# Altium PCB CM4-Tower.PcbDoc (part 2 of 10) (continued)
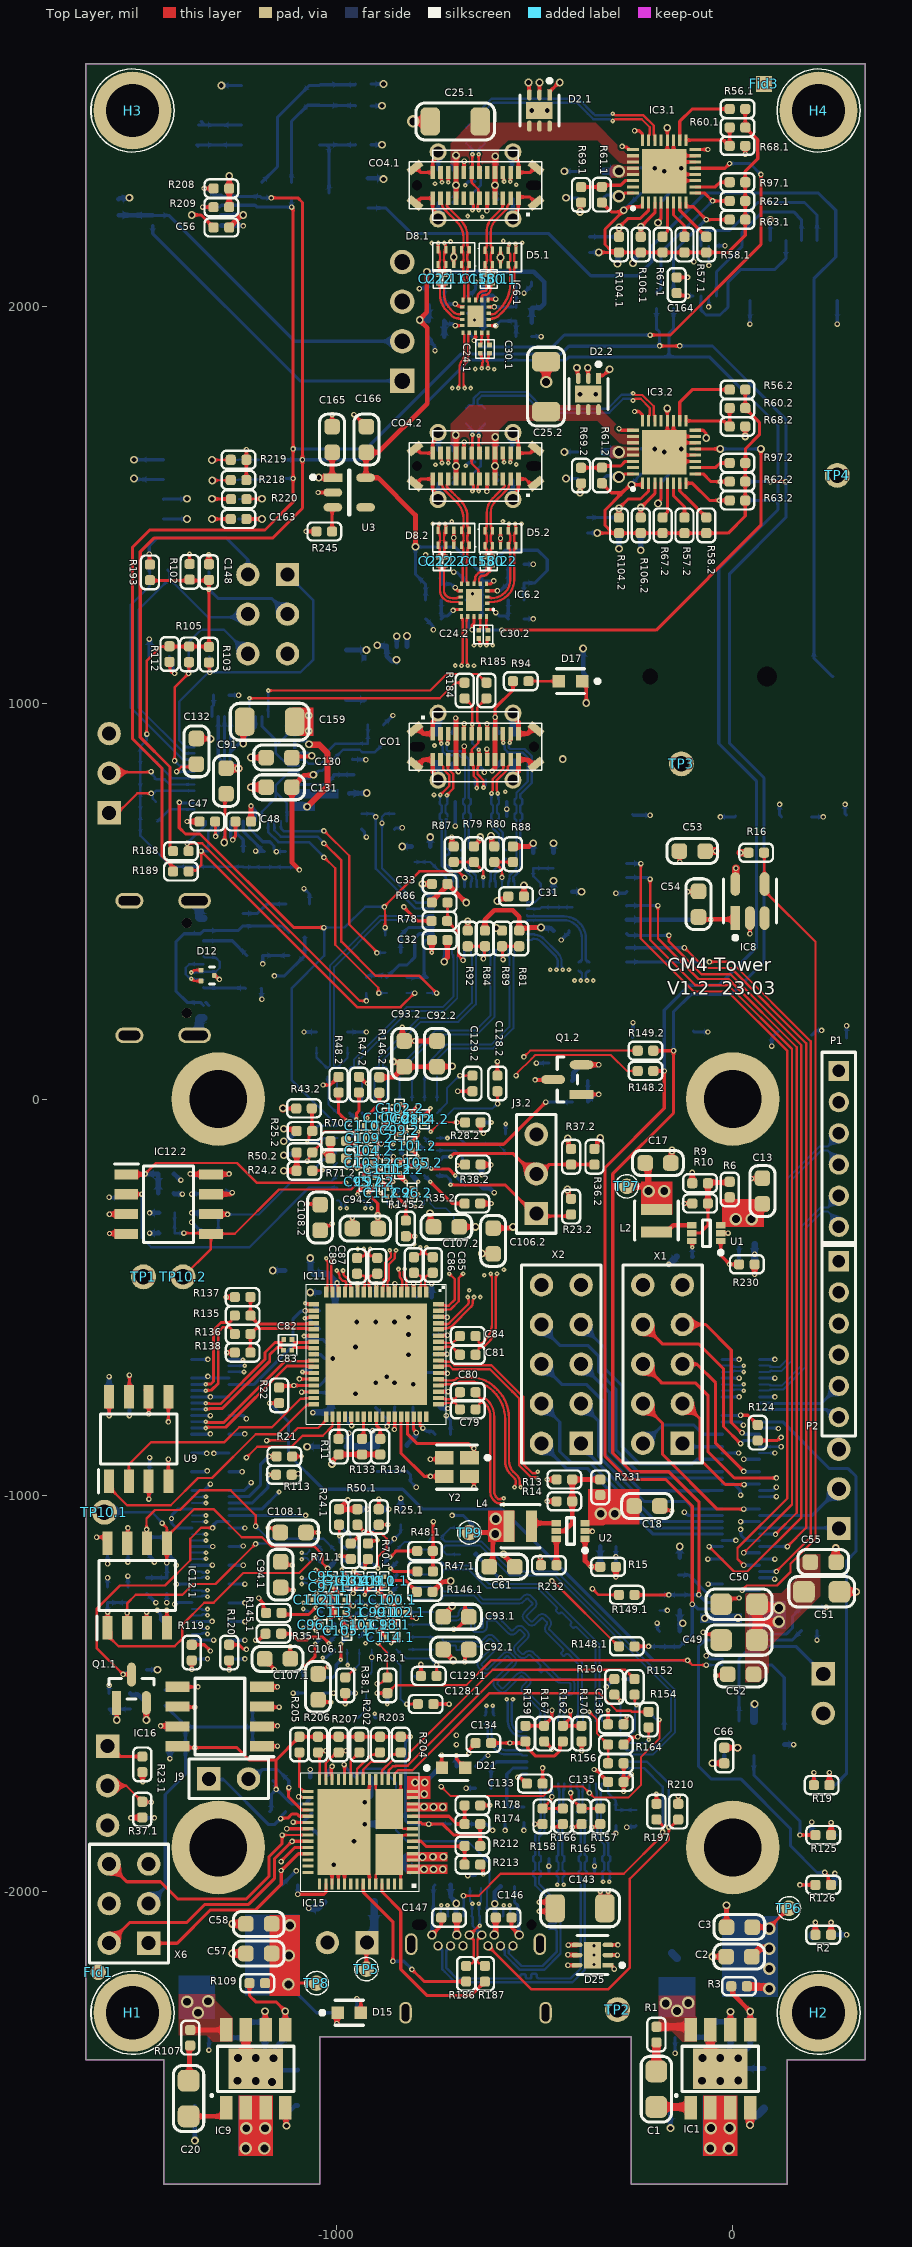
[diagram p0: Top Layer view]
## Part data (continued)
D5.1 D5.2 D7 D8.1 D8.2 D9 D20 D22: "PUSB3FA2/SOT1176/XSON10", Manufacturer=Nexperia, Part Number=DI0007, Supplier Part Number 1=1727-7813-1-ND, Category="TVS Diodes", ComponentLink1Description=http://www.farnell.com/datasheets/2621625.pdf?src-supplier=Farnell, ComponentLink1URL=http://www.farnell.com/datasheets/2621625.pdf?src-supplier=Farnell, ComponentLink2Description=https://assets.nexperia.com/documents/data-sheet/PUSB3FA2.pdf?src-supplier=Digi-Key, ComponentLink2URL=https://assets.nexperia.com/documents/data-sheet/PUSB3FA2.pdf?src-supplier=Digi-Key, ComponentLink3Description=http://www.farnell.com/datasheets/2621625.pdf?src-supplier=Newark, ComponentLink3URL=http://www.farnell.com/datasheets/2621625.pdf?src-supplier=Newark, ID=7, ManfactPart=PUSB3FA2Z, Manufacturer Part Number=PUSB3FA2Z, Pricing 1="1=0.39000, 10=0.31700, 100=0.21570, 500=0.16178, 1000=0.12134, 2000=0.11123 (USD)", Pricing 2="5=0.31600, 10=0.25800, 100=0.17600, 500=0.13300, 1000=0.11400, 5000=0.09420 (GBP)", Pricing 3="5000=0.10449, 10000=0.09774, 25000=0.09450 (USD)", RefVal=TVS, RoHS=No, Stock 1=8565, Stock 2=8440, Stock 3=5000, Supplier 1=Digi-Key, Supplier 2=Farnell, Supplier 3=Digi-Key, Supplier Part Number 2=2901054, Supplier Part Number 3=1727-7813-2-ND
D26: "BAT54 Series 30 V 200 mA Surface Mount Schottky Barrier Double Diode - SOT-23", Average Rectified Current=200mA, Capacitance=10pF, Case/Package=SOT-23, Current Rating=200A, Forward Voltage=800mV, Manufacturer="ON Semiconductor", Max Forward Surge Current (Ifsm)=600mA, Max Junction Temp=+150°C, Max Operating Temperature=150°C, Max Repetitive Reverse Voltage=30V, Max Reverse Current=2uA, Min Operating Temperature=-55°C, Package=MA03D, Package Quantity=1, Power Dissipation=290mW, Supplier Part Number 1=1467518, Temperature="-55°C to +150°C", Automotive=No, Category=Diode, ComponentLink1Description=https://datasheet.ciiva.com/22651/1923830-22651948.pdf?src-supplier=Element14, ComponentLink1URL=https://datasheet.ciiva.com/22651/1923830-22651948.pdf?src-supplier=Element14, ComponentLink2Description=Datasheet, ComponentLink2URL=https://media.digikey.com/pdf/Data%20Sheets/ON%20Semiconductor%20PDFs/BAT54(A,C,S).pdf, ComponentLink3Description=https://datasheet.ciiva.com/904/bat54-904342.pdf?src-supplier=Digi-Key, ComponentLink3URL=https://datasheet.ciiva.com/904/bat54-904342.pdf?src-supplier=Digi-Key, ComponentLink4Description=https://datasheet.ciiva.com/904/bat54-904343.pdf?src-supplier=Digi-Key, ComponentLink4URL=https://datasheet.ciiva.com/904/bat54-904343.pdf?src-supplier=Digi-Key, ComponentLink5Description=https://datasheet.ciiva.com/904/bat54-904341.pdf?src-supplier=Digi-Key, ComponentLink5URL=https://datasheet.ciiva.com/904/bat54-904341.pdf?src-supplier=Digi-Key, Contact Plating=Tin,Matte, Device Class L1="Discrete Semiconductors", Device Class L2=Diodes, Device Class L3="Schottky Diodes", Digikey Description="DIODE ARRAY SCHOTTKY 30V SOT23-3", Element Configuration="Common Cathode", Forward Current=200mA, Height=1.2mm, Lead Free="Lead Free", Length=2.92mm, Manufacturer Part Number=BAT54C, Max Repetitive Reverse Voltage (Vrrm)=30V, Max Reverse Voltage (DC)=30V, Max Surge Forward Current=600mA, Mount="Surface Mount", Number of Pins=3, Obsolete Part=true, Octopart=https://octopart.com/bat54c-on+semiconductor-8095621, Packaging="Cut Tape", Peak Non-Repetitive Surge Current=600mA, Peak Reverse Current=2uA, Pricing 1="5=0.05820, 50=0.04540, 100=0.04420, 500=0.03510, 1500=0.03100 (EUR)", Radiation Hardening=No, Reach SVHC Compliant=Yes, Reverse Recovery Time=5ns, Reverse Voltage=30V, RoHS=Yes, RoHS Compliant=Yes, Series=-, Standoff Height=0mm, Supplier 1=Farnell, Temperature Range High=+150°C, Temperature Range Low=-55°C, Voltage=30V, Voltage Rating (DC)=30V, Weight=0.000882oz, Width=1.3mm
Fid1 Fid2: library part ME0011, "Fiducial Round 1mm", ID=11, Part Number=ME0011, RefVal=Fiducial
Fid3 Fid4: library part ME0012, "Fiducial Sqaure 1mm", ID=12, Part Number=ME0012, RefVal=Fiducial
H1 H2 H3 H4: library part ME0001, "Mounting Hole M3", ID=1, Part Number=ME0001, RefVal="Hole M3"
IC1 IC9: "3.8V to 40V Input 5A Low IQ Synchronous Buck Converter with Programmable Soft-Start Time 8-Pin SOIC EP T/R", Manufacturer=Diodes, Part Number=IC0031, Supplier Part Number 1=621-AP64501SP-13, Category="Voltage Regulators - Switching", ID=31, ManfactPart=AP64501SP-13, Manufacturer Part Number=AP64501SP-13, Pricing 1="1=2.41000, 10=2.17000, 50=2.05000, 100=1.74000, 1000=1.19000, 10000=1.08000 (USD)", RefVal=AP64501SP-13, RoHS=Yes, Stock 1=13842, Supplier 1=Mouser
IC2.1 IC2.2: "Advanced HDMI to DisplayPort converter", Manufacturer="Kinetic Technologies", Manufacturer Part Number=STDP2600ADT, Part Number=IC0077, Supplier Part Number 1=1654-STDP2600ADTCT-ND, Category="Interface ICs", ID=77, ManfactPart=STDP2600, Pricing 1="1=8.94000, 10=8.04900, 25=7.58240, 50=7.38820, 100=7.19370, 250=6.41604, 500=6.02718, 1000=5.32724 (USD)", RefVal=STDP2600, RoHS=No, Stock 1=8132, Supplier 1=Digi-Key
IC3.1 IC3.2: "USB Type-C® controller with integrated source power switch 32-VQFN -40 to 105", Manufacturer="Texas Instruments", Mouser Part Number=595-TPS25814RSMR, Category="Integrated Circuits (ICs)", Datasheet Link=https://www.ti.com/lit/ds/symlink/tps25814.pdf?ts=1614246005864&ref_url=https%253A%252F%252Fwww.mouser.it%252F, Height=1mm, Manufacturer Part Number=TPS25814RSMR, Manufacturer_Name="Texas Instruments", Manufacturer_Part_Number=TPS25814RSMR, Mouser Price/Stock=https://www.mouser.co.uk/ProductDetail/Texas-Instruments/TPS25814RSMR?qs=eP2BKZSCXI7b%2F2SE6IEFzg%3D%3D, Pricing 1="1=2.50000, 10=2.25000, 50=2.12000, 100=1.81000, 1000=1.24000, 10000=1.23000 (USD)", RoHS=No, Supplier 1=Mouser, Supplier Part Number 1=595-TPS25814RSMR
IC4 IC14: "USB Type-C™ DP ALT Mode 10-Gbps linear redriver crosspoint switch for source side 40-WQFN -40 to 85", Manufacturer="Texas Instruments", Manufacturer Part Number=TUSB1046AI-DCIRNQR, Max Operating Temperature=85°C, Min Operating Temperature=-40°C, Mouser Part Number=595-TUSB1046-DCIRNQR, On-State Resistance=10R, Supplier Part Number 1=595-USB1046AIDCIRNQR, Arrow Part Number=TUSB1046-DCIRNQR, Arrow Price/Stock=https://www.arrow.com/en/products/tusb1046-dcirnqr/texas-instruments, Category="Integrated Circuits (ICs)", ComponentLink1Description=http://www.ti.com/lit/ds/symlink/tusb1046a-dci.pdf?src-supplier=Digi-Key, ComponentLink1URL=http://www.ti.com/lit/ds/symlink/tusb1046a-dci.pdf?src-supplier=Digi-Key, Datasheet Link=https://www.ti.com/lit/ds/symlink/tusb1046-dci.pdf?ts=1635509425736&ref_url=https%253A%252F%252Fwww.google.com%252F, Height=0.8mm, Mouser Price/Stock=https://www.mouser.co.uk/ProductDetail/Texas-Instruments/TUSB1046-DCIRNQR?qs=Euq2YPj5ArLS2CQihiHSYg%3D%3D, Number Of Channels=4, Pricing 1="1=9.42000, 10=8.51000, 50=8.12000, 100=7.05000, 1000=5.75000, 10000=5.74000 (USD)", RoHS=Yes, RoHS Compliant=Yes, Supplier 1=Mouser
IC5 IC16: "NOR Flash Serial 3.3V 8M-bit 8M/4M x 1/2-bit 8ns 8-Pin SOP / IC FLASH 8MBIT 86MHZ 8SOP", Case/Package=SOIC, Frequency=86MHz, Manufacturer=Macronix, Max Operating Temperature=85°C, Min Operating Temperature=-40°C, Operating Supply Voltage=3.6V, Package Quantity=98, Supplier Part Number 1=1092-1117-ND, Temperature Grade=INDUSTRIAL, Arrow Part Number=MX25L8006EM1I-12G, Arrow Price/Stock=https://www.arrow.com/en/products/mx25l8006em1i-12g/macronix-international?region=nac, Category=Flash, ComponentLink1Description=http://ckassoc.com/oldsite/pdf/Macronix_Product_Line_Card_July_2017_General%20_070617.pdf?src-supplier=Digi-Key, ComponentLink1URL=http://ckassoc.com/oldsite/pdf/Macronix_Product_Line_Card_July_2017_General%20_070617.pdf?src-supplier=Digi-Key, ComponentLink2Description=http://www.macronix.com/QuickPlace/hq/PageLibrary4825740B00298A3B.nsf/h_Index/3F21BAC2E121E17848257639003A3146/$File/MX25L8006E,%203V,%208Mb,%20v1.3.pdf?src-supplier=Future+Electronics, ComponentLink2URL=http://www.macronix.com/QuickPlace/hq/PageLibrary4825740B00298A3B.nsf/h_Index/3F21BAC2E121E17848257639003A3146/$File/MX25L8006E,%203V,%208Mb,%20v1.3.pdf?src-supplier=Future+Electronics, Datasheet Link=https://www.mxic.com.tw/Lists/Datasheet/Attachments/7445/MX25L8006E,%203V,%208Mb,%20v1.6.pdf, Density=8Mb, Height=1.75mm, Interface=SPI,Serial, Lead Free="Lead Free", Manufacturer Part Number=MX25L8006EM1I-12G, Manufacturer_Name=Macronix, Manufacturer_Part_Number=MX25L8006EM1I-12G, Max Frequency=86MHz, Memory Type=FLASH,NOR, Packaging=Rail/Tube, Pricing 1="1=0.58000, 10=0.52500, 25=0.51880, 50=0.51580, 100=0.46120, 250=0.45736, 500=0.45058, 1000=0.43446, 5000=0.39572 (USD)", RoHS=Yes, RoHS Compliant=Yes, Series=MX25xxx05/06, Stock 1=66203, Supplier 1=Digi-Key, Supply Voltage-Nom=3.6V
IC6.1 IC6.2: "Integrated Circuit", Manufacturer_Name="Texas Instruments", Mouser Part Number=595-TUSB542RWQR, Arrow Part Number=TUSB542RWQR, Arrow Price/Stock=https://www.arrow.com/en/products/tusb542rwqr/texas-instruments, Datasheet Link=http://www.ti.com/lit/ds/symlink/tusb542.pdf, Manufacturer_Part_Number=TUSB542RWQR, Mouser Price/Stock=https://www.mouser.co.uk/ProductDetail/Texas-Instruments/TUSB542RWQR?qs=n%252BTO0c4TDSbKMyA4z73fLg%3D%3D
IC7: library part EMC2301-1-ACZL-TR, "RPM-BASED PWM FAN CONTROLLER", Case/Package=MSOP, Manufacturer=Microchip, Max Operating Temperature=125°C, Max Supply Voltage=3.6V, Min Operating Temperature=-40°C, Min Supply Voltage=3V, Operating Supply Current=350uA, Operating Supply Voltage=3.3V, Package Quantity=1, Part Number=IC0054, Supplier Part Number 1=EMC2301-1-ACZL-CT-ND, Category="Motor Drivers", ComponentLink1Description=https://datasheet.ciiva.com/29573/2301-29573777.pdf?src-supplier=Digi-Key, ComponentLink1URL=https://datasheet.ciiva.com/29573/2301-29573777.pdf?src-supplier=Digi-Key, ComponentLink2Description=https://datasheet.ciiva.com/48437/2301-48437622.pdf?src-supplier=Avnet, ComponentLink2URL=https://datasheet.ciiva.com/48437/2301-48437622.pdf?src-supplier=Avnet, ComponentLink3Description=https://datasheet.ciiva.com/6607/2301-6607817.pdf?src-supplier=Digi-Key, ComponentLink3URL=https://datasheet.ciiva.com/6607/2301-6607817.pdf?src-supplier=Digi-Key, ID=54, Interface=PWM,I2C,SMBus,2-Wire, Lead Free="Lead Free", ManfactPart=EMC2301-1-ACZL-TR, Manufacturer Part Number=EMC2301-1-ACZL-TR, Max Supply Voltage (DC)=3.6V, Min Supply Voltage (DC)=3V, Mount="Surface Mount", Number of Pins=8, Output Type=Digital, Packaging="Tape and Reel", Pricing 1="1=1.24000, 25=1.12480 (USD)", RefVal=EMC2301, RoHS=Yes, Series=-, Stock 1=7394, Supplier 1=Digi-Key
IC8: library part RT9742GGJ5, "IC Pwr Swtch N-chan 1: 1 TSOT23-5", Case/Package=SOT-23-5, Manufacturer=Richtek, Max Operating Temperature=85°C, Max Output Current=1A, Min Operating Temperature=-40°C, On-State Resistance=70mR, Part Number=IC0029, Supplier Part Number 1=1028-1436-1-ND, Category="Power Management ICs", ComponentLink1Description=http://www.farnell.com/datasheets/2045592.pdf?src-supplier=Farnell, ComponentLink1URL=http://www.farnell.com/datasheets/2045592.pdf?src-supplier=Farnell, ComponentLink2Description=http://www.richtek.com/assets/product_file/RT9742/DS9742-03.pdf?src-supplier=Digi-Key, ComponentLink2URL=http://www.richtek.com/assets/product_file/RT9742/DS9742-03.pdf?src-supplier=Digi-Key, ComponentLink3Description=http://www.farnell.com/datasheets/2045592.pdf?src-supplier=Element14, ComponentLink3URL=http://www.farnell.com/datasheets/2045592.pdf?src-supplier=Element14, Fault Protection="Over Temperature,Reverse Current", ID=29, Interface=On/Off, ManfactPart=RT9742GGJ5, Manufacturer Part Number=RT9742GGJ5, Number of Outputs=1, Number of Pins=23, Output Configuration="High Side", Packaging="Cut Tape", Pricing 1="1=4.03000, 10=3.62300, 25=3.42480, 100=2.96820, 250=2.81600, 500=2.52678, 1000=2.15400 (USD)", Reach SVHC Compliant=Yes, RefVal=RT9742, RoHS=Yes, RoHS Compliant=Yes, Series=-, Stock 1=8743, Supplier 1=Digi-Key
IC11: "VL805 4-Port USB 3.0 Host Controller", Manufacturer=VLI, ID=46, Manufacturer Part Number=VL805-Q6
IC12.1 IC12.2: "150 mils SOIC 2.3-3.6V 2 Mbit SPI Flash 8 SOIC 3.90mm(.150in) TUBE RoHS Compliant: Yes", Case/Package=SOIC, Frequency=80MHz, Manufacturer=Microchip, Max Operating Temperature=70°C, Max Supply Current=15mA, Max Supply Voltage=3.6V, Min Operating Temperature=0°C, Min Supply Voltage=2.3V, Mouser Part Number=579-020B-80-4C-SAE, Nominal Supply Current=30mA, Package Quantity=100, Supplier Part Number 1=SST25PF020B-80-4C-SAE-ND, Access Time=12ns, Access Time-Max=12ns, Address Bus Width=1b, Arrow Part Number=SST25PF020B-80-4C-SAE, Arrow Price/Stock=https://www.arrow.com/en/products/sst25pf020b-80-4c-sae/microchip-technology?region=europe, Category=Flash, ComponentLink1Description=https://datasheet.ciiva.com/30477/0900766b8127faed-30477881.pdf?src-supplier=RSComponents, ComponentLink1URL=https://datasheet.ciiva.com/30477/0900766b8127faed-30477881.pdf?src-supplier=RSComponents, ComponentLink2Description=https://datasheet.ciiva.com/26296/sst25pf020b-eng-tds-26296972.pdf?src-supplier=Distrelec, ComponentLink2URL=https://datasheet.ciiva.com/26296/sst25pf020b-eng-tds-26296972.pdf?src-supplier=Distrelec, ComponentLink3Description=https://datasheet.ciiva.com/30020/25135a-30020558.pdf?src-supplier=Avnet, ComponentLink3URL=https://datasheet.ciiva.com/30020/25135a-30020558.pdf?src-supplier=Avnet, ComponentLink4Description=https://datasheet.ciiva.com/15048/20005135b-15048474.pdf?src-supplier=Digi-Key, ComponentLink4URL=https://datasheet.ciiva.com/15048/20005135b-15048474.pdf?src-supplier=Digi-Key, Data Bus Width=8b, Datasheet Link=https://componentsearchengine.com/Datasheets/3/SST25PF020B-80-4C-SAE.pdf, Density=2Mb, Height=1.75mm, Interface=SPI,Serial, Length=5mm, Manufacturer Part Number=SST25PF020B-80-4C-SAE, Manufacturer_Name=Microchip, Manufacturer_Part_Number=SST25PF020B-80-4C-SAE, Max Frequency=80MHz, Memory Size=2Mb, Memory Type=NOR,Non-Volatile,FLASH, Mount="Surface Mount", Mouser Price/Stock=https://www.mouser.com/Search/Refine.aspx?Keyword=579-020B-80-4C-SAE, Number of Pins=8, Packaging=Rail/Tube, Pricing 1="1=1.03000, 25=0.97520, 100=0.94340 (USD)", Programming Voltage=3.6V, Radiation Hardening=No, Reach SVHC Compliant=Yes, RoHS=Yes, RoHS Compliant=Yes, Series=SST25, Stock 1=289, Supplier 1=Digi-Key, Supply Current=30mA, Weight=0.019048oz, Width=4mm
IC13 IC15: "USB Type-C™ and USB PD controller with integrated power switches 56-VQFN -10 to 75", Case/Package=VQFN, Manufacturer="Texas Instruments", Max Operating Temperature=75°C, Min Operating Temperature=-10°C, Operating Supply Current=8mA, Part Number=IC0052, Supplier Part Number 1=296-52067-1-ND, Category="Power Management ICs", ComponentLink1Description=http://www.ti.com/lit/ds/symlink/tps65987d.pdf?src-supplier=Digi-Key, ComponentLink1URL=http://www.ti.com/lit/ds/symlink/tps65987d.pdf?src-supplier=Digi-Key, ComponentLink2Description=http://www.ti.com/general/docs/suppproductinfo.tsp?distId=10&amp;gotoUrl=http%3A%2F%2Fwww.ti.com%2Flit%2Fgpn%2Ftps65987d&src-supplier=Digi-Key, ComponentLink2URL=http://www.ti.com/general/docs/suppproductinfo.tsp?distId=10&amp;gotoUrl=http%3A%2F%2Fwww.ti.com%2Flit%2Fgpn%2Ftps65987d&src-supplier=Digi-Key, ID=52, ManfactPart=TPS65987DDHRSHR, Manufacturer Part Number=TPS65987DDHRSHR, Mount="Surface Mount", Packaging="Tape and Reel", Pricing 1="1=4.92000, 10=4.41700, 25=4.17600, 100=3.61930, 250=3.43372, 500=3.08106, 1000=2.62650 (USD)", RefVal=TPS65987D, RoHS=Yes, RoHS Compliant=Yes, Stock 1=6720, Supplier 1=Digi-Key
J1 J3.1 J3.2 J4: "Board to Board Connector Straight Header Single Row 3 Position 2.54mm Pitch Through Hole Bag", Manufacturer=Amphenol, Manufacturer Part Number=G800W305018EU, Supplier Part Number 1=523-G800W305018EU, Category=Connectors, Pricing 1="1=0.10000, 10=0.04200, 50=0.04200, 100=0.04000, 1000=0.03500, 10000=0.03000 (USD)", RoHS=Yes, Stock 1=26660, Supplier 1=Mouser
J2 J9 J11: "Pin Header 2.54MM Pitch Str, 1X2PIN, Full G/f, NY6T, 6.1MM*2.5MM*3.0MM / Bag", Manufacturer=Amphenol, Manufacturer Part Number=G800W306018EU, Supplier Part Number 1=523-G800W305018EU, Category=Connectors, Pricing 1="1=0.10000, 10=0.04200, 50=0.04200, 100=0.04000, 1000=0.03500, 10000=0.03000 (USD)", Pricing 2="1=0.10000, 10=0.03000, 50=0.03000, 100=0.02900, 1000=0.02600, 10000=0.02100 (USD)", RoHS=Yes, Stock 1=26660, Stock 2=25697, Supplier 1=Mouser, Supplier 2=Mouser, Supplier Part Number 2=523-G800W306018EU
J5: library part CM4_module_A, "0.4mm Pitch, 1.5-4.0mm Height, Board to Board / FPC to Board Connectors", Manufacturer=Hirose, Manufacturer Part Number=DF40HC(3.0)-100DS-0.4V(51, Part Number=MO0012, Supplier Part Number 1=798-DF40HC30100DS451, Category="Headers and Wire Housings", ComponentLink1Description=https://datasheet.ciiva.com/13559/ed-df40-20140305-13559540.pdf?src-supplier=Mouser, ComponentLink1URL=https://datasheet.ciiva.com/13559/ed-df40-20140305-13559540.pdf?src-supplier=Mouser, ComponentLink2Description=https://datasheet.ciiva.com/18562/ed-df40-20140305-18562462.pdf?src-supplier=Digi-Key, ComponentLink2URL=https://datasheet.ciiva.com/18562/ed-df40-20140305-18562462.pdf?src-supplier=Digi-Key, ID=12, ManfactPart=DF40HC(3.0)-100DS-0.4V, Pricing 1="1=2.70000, 10=2.32000, 50=2.32000, 100=2.16000, 1000=1.57000, 10000=1.45000 (USD)", RefVal=CM4-1, RoHS=Yes, Stock 1=26786, Supplier 1=Mouser
J6: library part CM4_module_B, "0.4mm Pitch, 1.5-4.0mm Height, Board to Board / FPC to Board Connectors", Manufacturer=Hirose, Manufacturer Part Number=DF40HC(3.0)-100DS-0.4V(51, Part Number=MO0012, Supplier Part Number 1=798-DF40HC30100DS451, Category="Headers and Wire Housings", ComponentLink1Description=https://datasheet.ciiva.com/13559/ed-df40-20140305-13559540.pdf?src-supplier=Mouser, ComponentLink1URL=https://datasheet.ciiva.com/13559/ed-df40-20140305-13559540.pdf?src-supplier=Mouser, ComponentLink2Description=https://datasheet.ciiva.com/18562/ed-df40-20140305-18562462.pdf?src-supplier=Digi-Key, ComponentLink2URL=https://datasheet.ciiva.com/18562/ed-df40-20140305-18562462.pdf?src-supplier=Digi-Key, ID=12, ManfactPart=DF40HC(3.0)-100DS-0.4V, Pricing 1="1=2.70000, 10=2.32000, 50=2.32000, 100=2.16000, 1000=1.57000, 10000=1.45000 (USD)", RefVal=CM4-1, RoHS=Yes, Stock 1=26786, Supplier 1=Mouser
J7: "KK 254 Solid Header, Right-Angle, with Friction Lock, 4 Circuits, Tin (Sn) Plating", Color=White, Contact Resistance=10mR, Current Rating=4A, Flammability Rating="UL94 V-0", Insulation Resistance=50GR, Manufacturer=Molex, Max Operating Temperature=75°C, Min Operating Temperature=0°C, Package=0, Package Quantity=12000, Supplier Part Number 1=WM4302-ND, Temperature="-40°C to +80°C", Temperature Range High=+80°C, Temperature Range Low=-40°C, Voltage Rating=500V, Voltage Rating (DC)=250V, Approvals=UL,CSA, Automotive=No, Category=Conn, ComponentLink2Description=Datasheet, ComponentLink2URL=https://www.molex.com/webdocs/datasheets/pdf/en-us/0022053041_PCB_HEADERS.pdf, Conn Gender=Male, Conn Orientation="Right Angle", Contact Gender=Male, Contact Material=Tin,Nickel, Contact Mating Length=0.264inch, Contact Plating=Tin,Copper, Contact Type="Male Pin", Depth=12.83mm, Device Class L1=Connectors, Device Class L2="Headers and Wire Housings", Device Class L3=unset, Digikey Description="CONN HEADER R/A 4POS 2.54MM", Fastening Type=Friction, Footprint Url=https://www.molex.com/pdm_docs/sd/022053041_sd.pdf, Gender=Male, Glow Wire Compliant=Non-compliant, Halogen Free="Low Halogen", Height=6.6mm, Housing Color=White, Housing Material=Nylon, Lead Free=Yes, Length=10.16mm, Manufacturer Part Number=22-05-3041, Max Current Rating=4A, Mounting Technology="Through Hole", Number Of Circuits=4, Number of Contacts=4, Number of Positions=4, Number Of Rows=1, Octopart=https://octopart.com/22-05-3041-molex-2579, Orientation="Right Angle", Packaging=Bulk, Pitch=2.54mm, Pricing 1="1=0.69000, 10=0.57900, 100=0.45030, 1000=0.35380, 5000=0.31091, 10000=0.28947 (USD)", Radiation Hardening=No, RoHS=TRUE, RoHS Compliant=Yes, Series="KK® 7478", Stock 1=91858, Supplier 1=Digi-Key, Termination=Solder
J8: "CONN HEADER SH 4POS SIDE 1MM TIN", Manufacturer=JST, Manufacturer Part Number=SM04B-SRSS-TB(LF)(SN), Part Number=CO0056, Supplier Part Number 1=455-1804-1-ND, Category=Connectors, ComponentLink1Description=https://datasheet.ciiva.com/26894/getdatasheetpartid-640736-26894676.pdf?src-supplier=Verical, ComponentLink1URL=https://datasheet.ciiva.com/26894/getdatasheetpartid-640736-26894676.pdf?src-supplier=Verical, ComponentLink2Description=https://datasheet.ciiva.com/26894/getdatasheetpartid-499363-26894945.pdf?src-supplier=Verical, ComponentLink2URL=https://datasheet.ciiva.com/26894/getdatasheetpartid-499363-26894945.pdf?src-supplier=Verical, ComponentLink3Description=https://datasheet.ciiva.com/16487/jstsm04b-srss-tb-lf-sn-16487222.pdf?src-supplier=Future+Electronics, ComponentLink3URL=https://datasheet.ciiva.com/16487/jstsm04b-srss-tb-lf-sn-16487222.pdf?src-supplier=Future+Electronics, ID=56, ManfactPart=SM04B-SRSS-TB, Pricing 1="1=0.57000, 10=0.49300, 100=0.40630, 500=0.35328, 1000=0.29146 (USD)", RefVal="Led Connector", RoHS=Yes, Stock 1=43305, Supplier 1=Digi-Key
J12: "Conn USB 2.0 Type C RCP 24 POS 0.3mm/0.5mm Solder RA SMD 24 Terminal 1 Port T/R", Flammability Rating="UL94 V-0", Insulation Color=Black, Manufacturer="Global Connector Technology", Max Operating Temperature=85°C, Min Operating Temperature=-40°C, Supplier Part Number 1=3588199, Category="USB Connectors", ComponentLink1Description=https://gct.co/files/drawings/usb4105.pdf?src-supplier=Digi-Key, ComponentLink1URL=https://gct.co/files/drawings/usb4105.pdf?src-supplier=Digi-Key, Connector Type=USB, Contact Plating=Gold, Gender=Receptacle, Manufacturer Part Number=USB4105-GF-A, Mating Cycles=10000, Mounting Technology="Surface Mount,Through Hole,Horizontal", Number of Ports=1, Pricing 1="800=0.44400, 4000=0.40300, 8000=0.38200, 16000=0.36900 (EUR)", RoHS=No, Series=USB4105, Shielding=Shielded, Stock 1=800, Supplier 1=Farnell, Termination=Solder
L1 L3: "Ind Power Semi-Shielded Wirewound 3.3uH ±30% 1MHz 15 Q-Factor Ferrite 5A T/R", Case/Package=Nonstandard, DC Resistance (DCR)=21mR, Inductance=3.3uH, Inductance Tolerance=30%, Manufacturer=Bourns, Max Operating Temperature=125°C, Min Operating Temperature=-55°C, Part Number=IN0005, Ratings=AEC-Q200, RMS Current (Irms)=5A, Saturation Current=7.8A, Self Resonant Frequency=45MHz, Supplier Part Number 1=SRN6045TA-3R3YCT-ND, Test Frequency=1MHz, Category="Fixed Inductors", ComponentLink1Description=http://www.farnell.com/datasheets/2647414.pdf?src-supplier=Farnell, ComponentLink1URL=http://www.farnell.com/datasheets/2647414.pdf?src-supplier=Farnell, ComponentLink2Description=http://www.farnell.com/datasheets/2113223.pdf?src-supplier=Element14, ComponentLink2URL=http://www.farnell.com/datasheets/2113223.pdf?src-supplier=Element14, ComponentLink3Description=https://www.bourns.com/docs/Product-Datasheets/SRN6045TA.pdf?src-supplier=Digi-Key, ComponentLink3URL=https://www.bourns.com/docs/Product-Datasheets/SRN6045TA.pdf?src-supplier=Digi-Key, ComponentLink4Description=http://www.farnell.com/datasheets/2647414.pdf?src-supplier=Newark, ComponentLink4URL=http://www.farnell.com/datasheets/2647414.pdf?src-supplier=Newark, Core Material=Ferrite, ID=5, ManfactPart=SRN6045TA-3R3Y, Manufacturer Part Number=SRN6045TA-3R3Y, Mount="Surface Mount", Packaging="Cut Tape", Pricing 1="1=0.64000, 10=0.55900, 25=0.51920, 50=0.43920, 100=0.39930, 250=0.37532, 500=0.33538 (USD)", Reach SVHC Compliant=Yes, RefVal="3.3µH 5A", RoHS=Yes, RoHS Compliant=Yes, Series=SRN6045TA, Shielding=Shielded, Stock 1=5211, Supplier 1=Digi-Key, Tolerance=30%
L2 L4: "Inductor Power Shielded Wirewound 1uH 30% 100KHz Ferrite 1.41A 0.084Ohm DCR T/R", Case/Package=2410, Current Rating=1.41A, DC Resistance (DCR)=84mR, Inductance=1uH, Manufacturer="Taiyo Yuden", Max DC Current=1.8A, Max Operating Temperature=120°C, Min Operating Temperature=-25°C, Package Quantity=1, Self Resonant Frequency=106MHz, Supplier Part Number 1=587-2385-1-ND, Test Frequency=100kHz, Tolerance=30%, Category="Fixed Inductors", ComponentLink1Description=https://datasheet.ciiva.com/8502/nrh2410t1r0nn4-ss-8502790.pdf?src-supplier=Avnet, ComponentLink1URL=https://datasheet.ciiva.com/8502/nrh2410t1r0nn4-ss-8502790.pdf?src-supplier=Avnet, ComponentLink2Description=https://datasheet.ciiva.com/1065/nrh2410t1r0nn4-ss-1065600.pdf?src-supplier=Digi-Key, ComponentLink2URL=https://datasheet.ciiva.com/1065/nrh2410t1r0nn4-ss-1065600.pdf?src-supplier=Digi-Key, ComponentLink3Description=https://datasheet.ciiva.com/25607/0900766b810b3cd2-25607923.pdf?src-supplier=RSComponents, ComponentLink3URL=https://datasheet.ciiva.com/25607/0900766b810b3cd2-25607923.pdf?src-supplier=RSComponents, ComponentLink4Description=https://datasheet.ciiva.com/23806/1749893-23806709.pdf?src-supplier=Newark, ComponentLink4URL=https://datasheet.ciiva.com/23806/1749893-23806709.pdf?src-supplier=Newark, Core Material=Ferrite, Depth=2.5mm, Halogen Free="Halogen Free", Height=1mm, Length=2.4mm, Manufacturer Part Number=NRH2410T1R0NN4, Mount="Surface Mount", Mounting Technology="Surface Mount", Number of Pins=2, Packaging="Tape and Reel", Pins=2, Pricing 1="1=0.21000, 10=0.18900, 25=0.16760, 50=0.14260, 100=0.12570, 250=0.11528, 500=0.10478, 1000=0.08802 (USD)", Radiation Hardening=No, RoHS=Yes, RoHS Compliant=Yes, Saturation Current=1.8A, Series=NRH, Shielding=Shielded, Stock 1=1576, Supplier 1=Digi-Key, Termination=SMD/SMT, Width=0.094inch
MO1: "CM4 module", Part Number=MO0011, ID=11, ManfactPart="RPI CM4", RefVal=CM4
P1 P2: library part CMP-1502-00960-1, "THT Vertical Pin Header WR-PHD, Pitch 2.00 mm, Single Row, 6 pins", Contact Resistance=20mOhm, Manufacturer="Wurth Elektronik", Operating Temperature=-40to105degC, Rated Current=2A, Withstanding Voltage=500VAC, Working Voltage=200VAC, Datasheet URL=https://katalog.we-online.de/em/datasheet/62000611121.pdf, Gender=Male, Manufacturer URL=http://www.we-online.de, Mounting Technology=THT, Orientation=Vertical, Package Reference=62000611121, Packaging=Bag, Part Number=62000611121, Pin Number=6, Pitch=2.00mm, Publisher=WurthElektronik, Row Number=Single
Q1.1 Q1.2: "MOSFET N-CH 25V 220MA SOT-23", Continuous Drain Current=0.22A, Drain To Source Breakdown Voltage=25V, Drain To Source Resistance=3.1Ω, Gate To Source Voltage=8V, Input Capacitace At Vds="9.5pF @ 10V", Manufacturer="ON Semiconductor", Max Forward Diode Voltage=1.2V, Max Junction Temp=+150°C, Package=318-08, Power Dissipation=0.35W, Temperature="-55°C to +150°C", Temperature Range Low=-55°C, Typ Forward Diode Voltage=0.8V, Automotive=No, Category=Trans, ComponentLink2Description=Datasheet, ComponentLink2URL=https://www.onsemi.com/pub/Collateral/FDV301N-D.PDF, Depletion Mode=False, Device Class L1="Discrete Semiconductors", Device Class L2=Transistors, Device Class L3=MOSFETs, Digikey Description="MOSFET N-CH 25V 220MA SOT-23", Drain To Source Voltage=25V, Footprint Url=https://www.onsemi.com/pub/Collateral/318-08.PDF, Gate Charge At Vgs="0.49nC @ 4.5V", Height=1.11mm, Ipc Land Pattern Name=SOT95P240X100-3, Lead Free=Yes, Manufacturer Part Number=FDV301N, Mouser Description="MOSFET N-Ch Digital", Number Of Channels=1, Number Of N Channels=1, Octopart=https://octopart.com/fdv301n-on+semiconductor-84326713, RoHS=TRUE, Rthja Max=357°C/W, Standoff Height=0.01mm, Temperature Range High=+150°C, Threshold Vgs Max=1.06V, Threshold Vgs Min=0.7V, Transconductance=0.2S, Turn Off Delay Time=3.5ns, Turn On Delay Time=3.2ns
R1 R107: library part CRCW0402100RFK, "RES SMD 100 ohm 1% 1/16W R0402", Manufacturer=Vishay, Package / Case=0402, Power (Watts)=1/16W, Tolerance=±1%, check=ok, Manufacturer Part Number=CRCW0402100RFK